# Altium PCB CameraControler0.2.PcbDoc (part 1 of 2)
Units mil, origin at the board's own origin, x right, y up, seen from the top; angles counter-clockwise.
Board outline 5511.81 x 4409.45 mil, 2 copper layers (Top Layer, Bottom Layer); 290 components, 222 nets, 911 pads, 70 vias.
Unrouted connection lines stored in the file: 553.
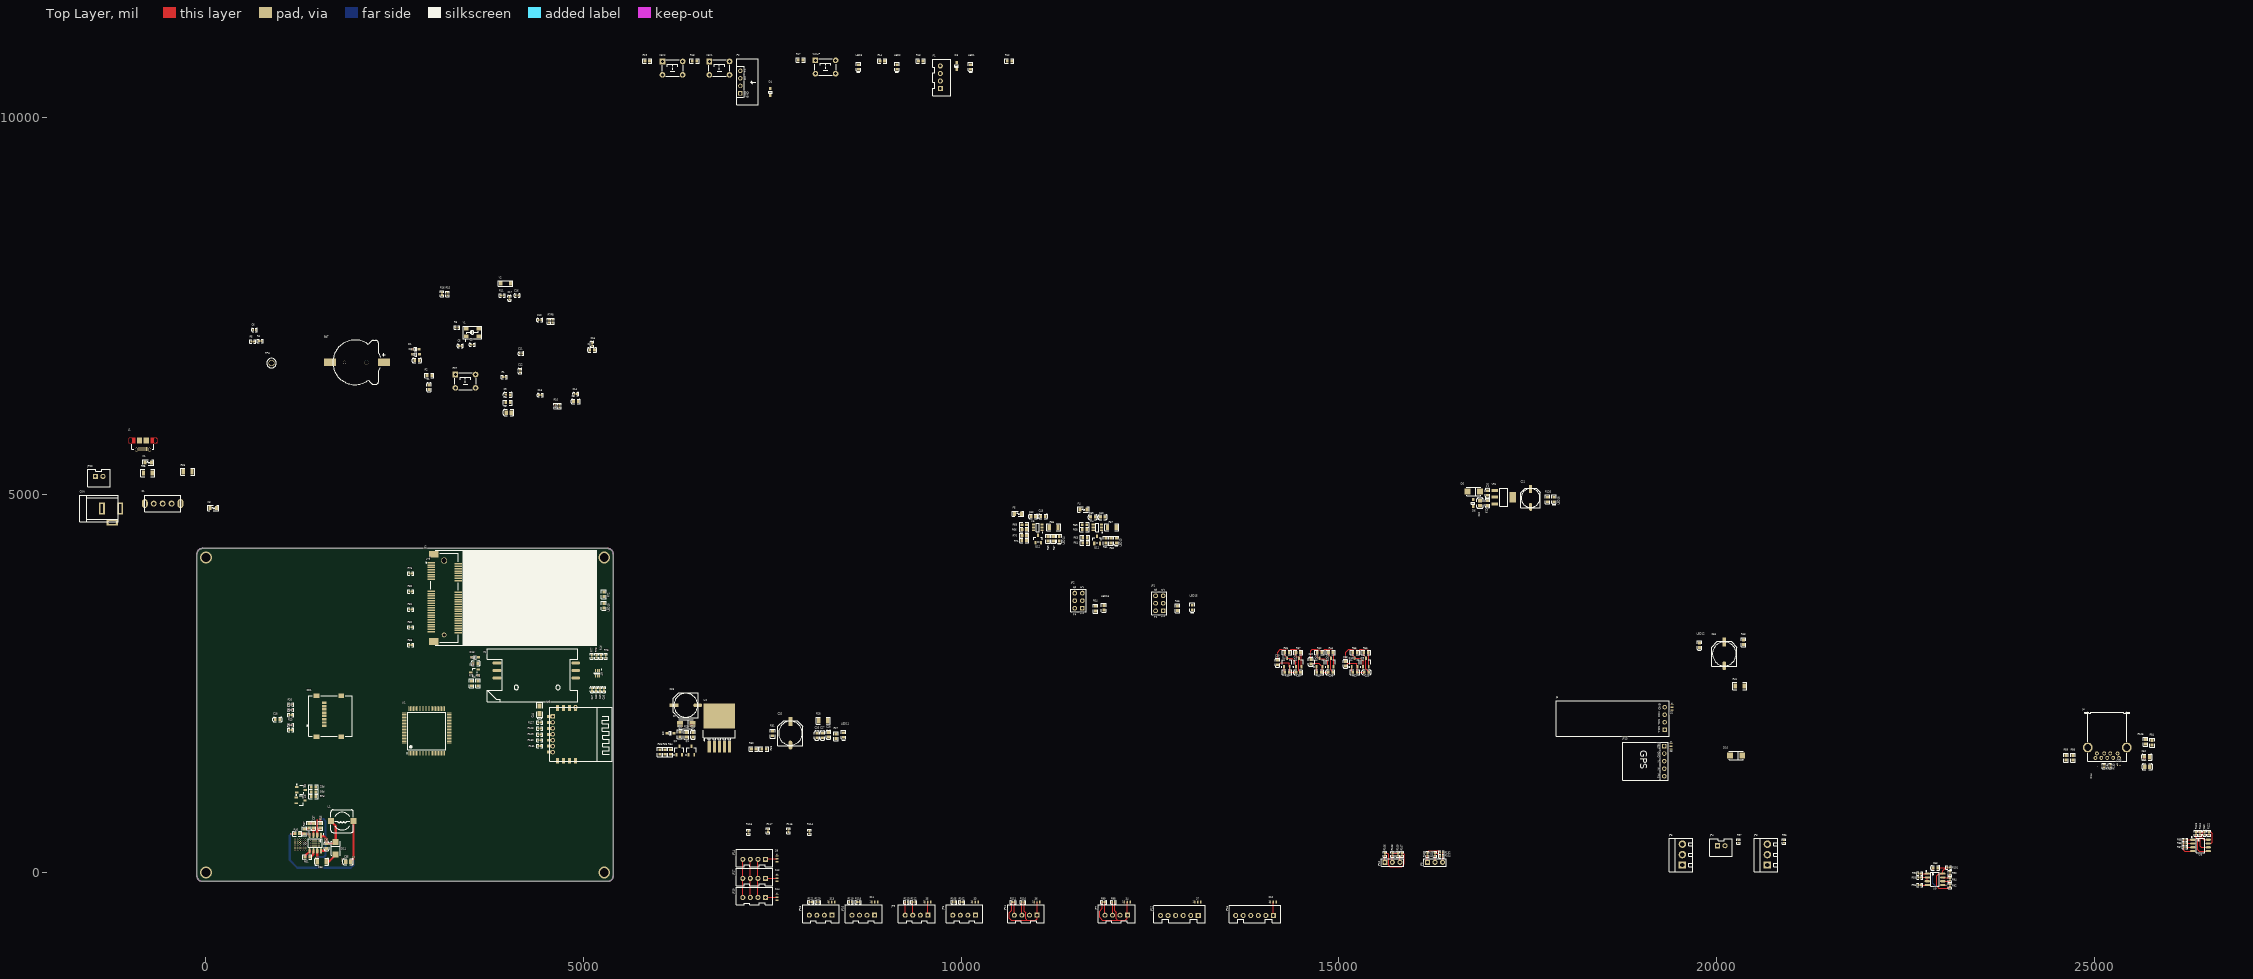
[diagram p0: Top Layer view]
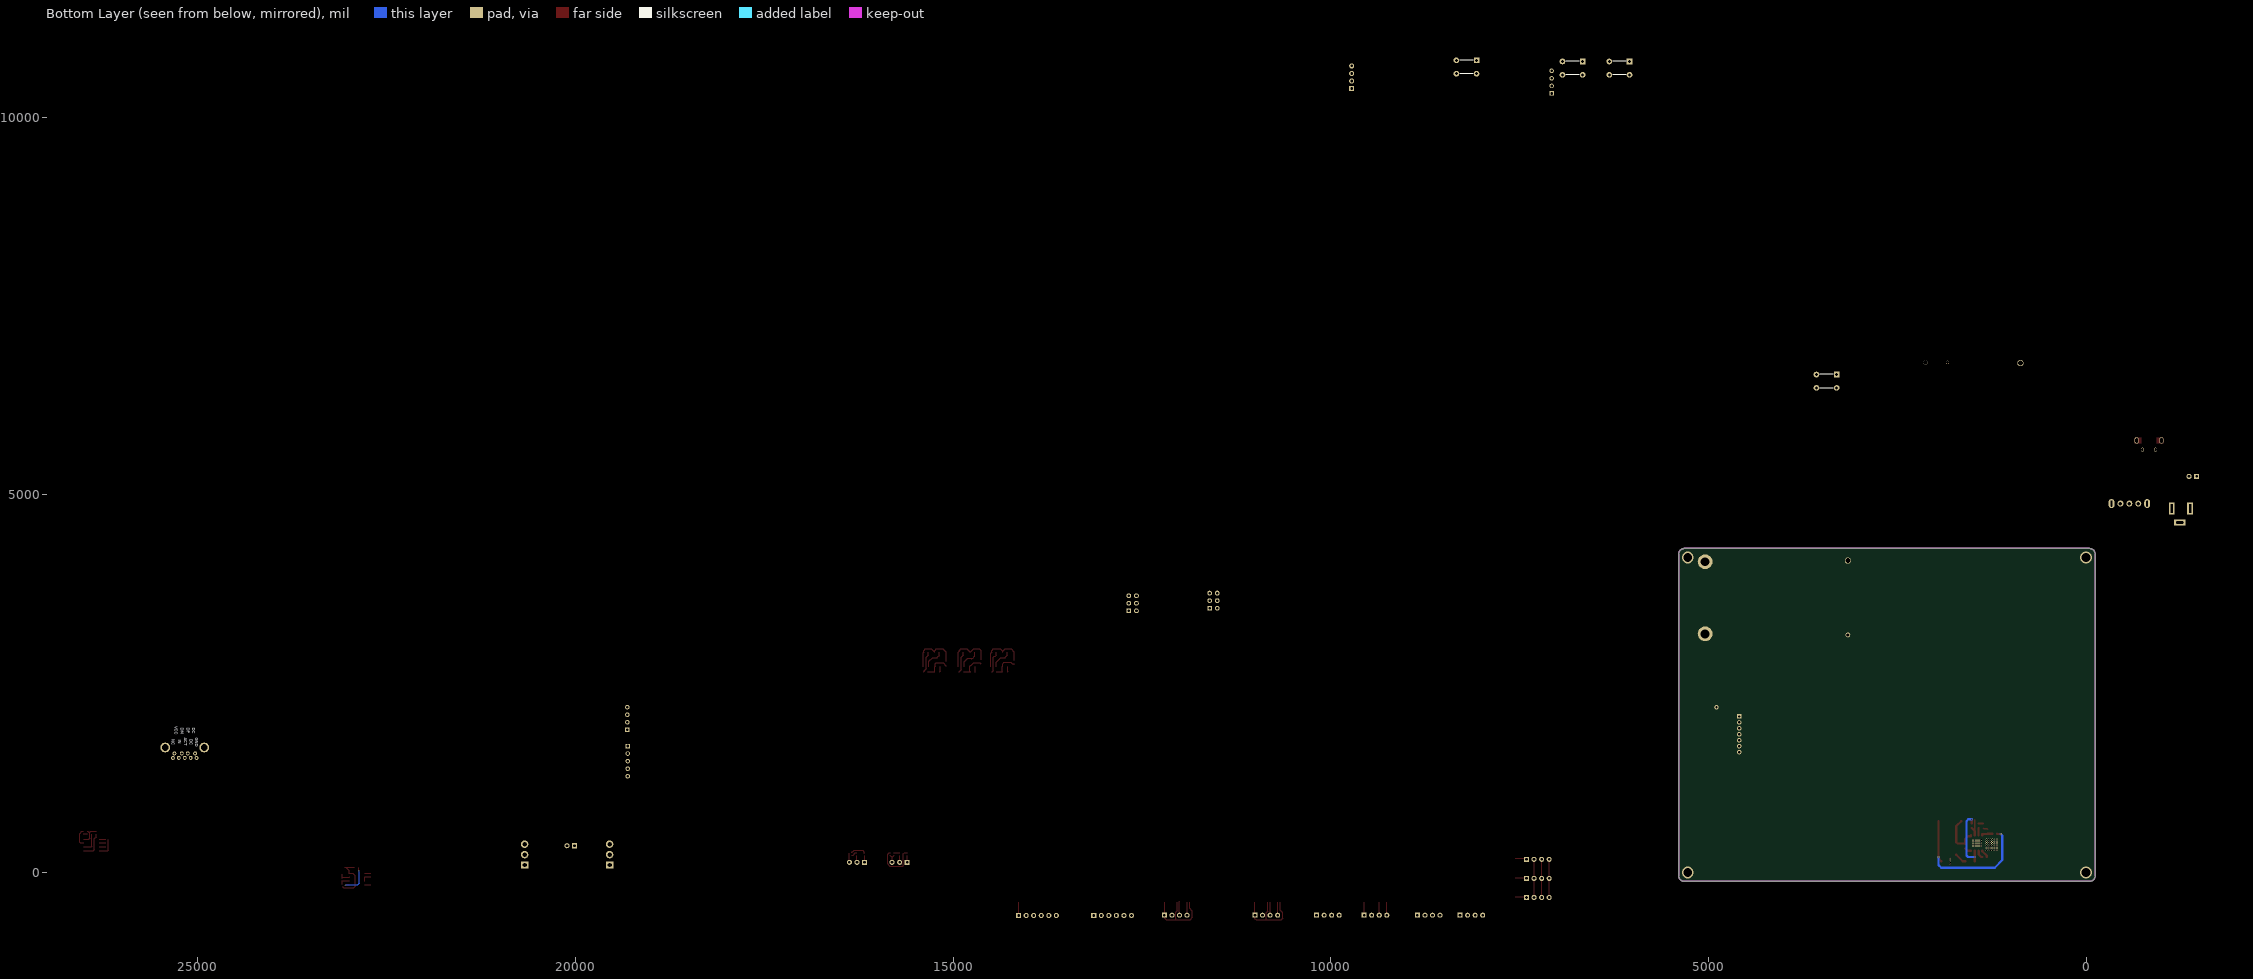
[diagram p1: Bottom Layer view, seen from below]

## Layer stack, top to bottom
Top Solder: solder mask 0.4, Solder Resist, Dk 3.5
Top Layer: signal copper 1.4
Dielectric 1: dielectric 12.6, FR-4, Dk 4.8
Bottom Layer: signal copper 1.4
Bottom Solder: solder mask 0.4, Solder Resist, Dk 3.5

## Board outline
-117.91,-43.11 ccw(c-43.11,-43.11) -43.11,-117.91 -43.31,-118.11 5318.9,-118.11 ccw(c5318.9,-43.31) 5393.7,-43.31 5393.7,4216.54 ccw(c5318.9,4216.54) 5318.9,4291.34 -43.31,4291.33 -43.31,4291.34 ccw(c-43.31,4216.54) -118.11,4216.54

## Design rules (kind name [scope] priority, off if disabled: settings)
Clearance [All] p1: gap=6 ignorepadtopadclearanceinfootprint=FALSE except(0: Arc-Hole Track-Hole SMDPad-Hole THPad-Hole Via-Hole Fill-Hole Poly-Hole Region-Hole Text-Hole; 1: THPad-Fill THPad-Poly THPad-Region Via-Fill Via-Poly Via-Region)
HoleSize [All] p1: absolutevalues=TRUE maxlimit=120 minlimit=1 maxpercent=80.000 minpercent=20.000
MinimumSolderMaskSliver [All] p1: minsoldermaskwidth=1
PolygonConnect [All] p1: connectstyle=Relief reliefconductorwidth=10 reliefentries=4 polygonreliefangle="90 Angle" airgapwidth=10
RoutingVias [All] p1: holewidth=10 width=20 viastyle="Through Hole" minholewidth=6 minwidth=10 maxholewidth=30 maxwidth=50
SolderMaskExpansion [All] p1: expansion=4
Width [All] p1: maxlimit=50 minlimit=6 preferedwidth=10 minimp=50.000000 maximp=50.000000 favimp=50.000000
28 further rules are at their usual default settings.

## Classes and differential pairs
component class WiFi&4G_F: C44 C45 C46 C47 C48 C49 D13 J2 J3 LED10 Q13 R72 R73 R74 R75 R76 R77 R78 R79 R80 R81 R82 R83 R127 R128 R129 R130 R131 U6 U7
component class PWR_F: C19 C20 C21 C22 C23 C24 C25 C26 C27 C28 C29 C30 C31 C32 C33 C34 C35 C36 C37 C38 C39 C40 C41 C42 C43 CON D5 D6 D7 D9 D10 D11 F1 F3 F4 F5 J1 JP1 JP2 JP20 L1 LED11 LED12 LED13 LED14 LED15 LED16 LED18 Q1 Q2 Q3 Q4 Q5 Q6 Q7 Q8 Q9 Q10 Q11 Q12 R25 R26 R27 R28 R29 R30 R31 R32 R33 R34 R35 R36 R37 R38 R39 R40 R41 R42 R43 R44 R45 R46 R47 R48 R49 R50 R51 R52 R53 R54 R55 R56 R57 R58 R59 R60 R61 R62 R63 R64 R65 R66 R67 R68 R69 R70 R71 R126 S1 U2 U3 U4 U5 VR1
component class MCU_F: BAT C1 C2 C3 C4 C5 C6 C7 C8 C9 C10 C11 C12 C13 C14 C15 C16 C17 C18 D1 D2 D3 D4 KEY1 KEY2 LED1 LED2 LED3 P1 P2 R1 R2 R3 R4 R5 R6 R7 R8 R9 R10 R11 R12 R13 R14 R15 R16 R17 R18 R19 R20 R21 R22 R23 R24 RST SD1 TPH U1 WKUP Y1 Y2
component class Device_F: C50 C51 C52 C53 D14 D15 J4 J5 JP3 JP4 JP5 JP6 JP7 JP8 JP9 JP10 JP11 JP12 JP13 JP14 JP15 JP16 JP17 JP18 JP19 R84 R85 R86 R87 R88 R89 R90 R91 R92 R93 R94 R95 R96 R97 R98 R99 R100 R101 R102 R103 R104 R105 R106 R107 R108 R109 R110 R111 R112 R113 R114 R115 R116 R117 R118 R119 R120 R121 R122 R123 R124 R125 R132 R133 R134 S2 S3 S4 S5 S6 S7 S8 S9 S10 S11 S12 S13 S14 U8 U9

## Components (designator, comment, footprint, x,y, rotation, side; value= is the part's Value field where it differs from the comment)
BAT "BAT CR1220" CR1220_B 1976.73,6755 r0 top
C1 "100nF" 0603_C 2955,6425 r270 top
C2 "22pF" 0402_C 3527.8,6987.69 r0 top
C3 "2.2uF" 0603_C 4900,6235 r180 top
C4 "2.2uF" 0603_C 5114.69,6920 r180 top
C5 "22pF" 0402_C 3369.53,6973.71 r0 top
C6 "100nF" 0402_C 645.31,7185 r0 top
C7 "100nF" 0603_C 2795.75,6780 r180 top
C8 "10uF" 0805_C 4010.04,6090 r0 top
C9 "100nF" 0603_C 4000,6325 r0 top
C10 "100nF" 0402_C 4423.27,7315 r0 top
C11 "100nF" 0402_C 4173.98,6870 r0 top
C12 "100nF" 0402_C 4160,6641.73 r270 top
C13 "100nF" 0402_C 4429.45,6321.02 r180 top
C14 "100nF" 0402_C 4896.73,6335 r180 top
C15 "100nF" 0402_C 5115,6995 r270 top
C16 "22pF" 0402_C 4121.73,7640 r180 top
C17 "22pF" 0402_C 4020,7605 r90 top
C18 "100nF" 0603_C 949.69,2025 r0 top
C19 "100nF" 0603_C 16970,4891.61 r90 top
C20 "100nF" 0603_C 16970,5025.31 r270 top
C21 "220uF" "CT 6*6 - C" 17540,4960 r90 top
C22 "10uF" 0805_C 16870,4889.96 r90 top
C23 "470uF" "CT 8*7 - C" 6355,2215 r180 top
C24 "100nF" 0603_C 6450,1825 r270 top
C25 "470uF" "CT 8*7 - C" 7740,1845 r90 top
C26 "100nF" 0603_C 8090,1815 r90 top
C27 "10pF" 0603_C 8165,1815 r90 top
C28 "33pF" 0603_C 8245,1825 r90 top
C29 "1uF" 0603_C 14190,2780 r90 top
C30 "1uF" 0603_C 14462.76,2650.65 r0 top
C31 "100nF" 0603_C 1600,350 r90 top
C32 "1uF" 0603_C 14630,2790 r90 top
C33 "10uF" 1206_C 1534.88,145 r0 top
C34 "470uF" "CT 8*7 - C" 20105,2895.31 r90 top
C35 "22uF" 0805_C 1885,145 r0 top
C36 "1uF" 0603_C 14889.32,2650.65 r0 top
C37 "220pF" 0603_C 1425,619.37 r270 top
C38 "1uF" 0603_C 15090,2764.68 r90 top
C39 "1nF" 0603_C 11744.69,4705 r180 top
C40 "100nF" 0603_C 11875,4705 r180 top
C41 "1uF" 0603_C 15367.4,2650.65 r0 top
C42 "1nF" 0603_C 10955,4715 r180 top
C43 "100nF" 0603_C 11085,4715 r0 top
C44 "4.7uF" CASE-A_3216 4420,2153.43 r270 top
C45 "100nF" 0603_C 3572.27,2770 r180 top
C46 "33pF" 0402_C 5270,2421.73 r90 top
C47 "33pF" 0402_C 5111.73,2421.73 r90 top
C48 "33pF" 0402_C 5164.49,2421.73 r90 top
C49 "33pF" 0402_C 5217.24,2421.73 r90 top
C50 "100nF" 0402_C 26465,521.73 r270 top
C51 "10uF" 0805_C 25705,1400 r0 top
C52 "100nF" 0805_C 25700,1525 r0 top
C53 "100nF" 0603_C 22899.68,61.54 r180 top
CON "DC" DC-005 -1376.95,4820 r180 top
D1 "1N4148" SOD-323 2775,6930 r180 top
D2 "1N4148" SOD-323 2780,6860 r180 top
D3 "1N4148" SOD-323 9940,10680 r90 top
D4 "1N4148" SOD-323 7475,10331.46 r90 top
D5 "B350A" SMA(DO-214AC)_S1 16787.32,5045 r180 top
D6 "SD24C" SOD-323 16780,4890 r270 top
D7 "B350A" SMA(DO-214AC)_S1 6360,1965 r180 top
D9 "SD24C" SOD-323 6150,1845 r180 top
D10 "B350A" SMA(DO-214AC)_S1 20260,1550 r180 top
D11 "SS34" SMA(DO-214AC)_S1 1720,319.69 r270 top
D13 "LESD3Z5.0T1G" SOD-323 3566.5,2850 r0 top
D14 "ESD9L5.0ST5G" ONSC-SOD-923-2-514AB-01_V 25025,1426.73 r180 top
D15 "ESD9L5.0ST5G" ONSC-SOD-923-2-514AB-01_V 25325,1415 r0 top
F1 "5V 2A" "FU 0805" -761.36,5430 r180 top
F3 "5V 3A" "FU 0805" 98.05,4825 r0 top
F4 "5V 2A" "FU 0805" 11620,4805 r0 top
F5 "5V 2A" "FU 0805" 10755,4750 r0 top
J1 "MicroUSB" MOLX-47589-0001 -831.95,5720.43 r180 top
J2 "EC25-AU" PCIEmin-i 3155.24,3145.87 r90 top locked
J3 "SIM Card" "SIM Card" 3855,2575 r180 top
J4 "USB 3.0" USB3.0-i 25175,1795 r180 top
J5 "OLED" "HDR-4P OLED" 19315,1890 r180 top
JP1 "HDR-2X3" HDR-3X2 12675,3465 r90 top
JP2 "HDR-2X3" HDR-3X2 11605,3500 r90 top
JP3 "HDR-1X3" KF350-3P 20675,100 r90 top
JP4 "XH-2.56-2P" XH2.54-2P 20015,355 r0 top
JP5 "HDR-1X3" KF350-3P 19550,100 r90 top
JP6 "I/O" XH2.54-4P 10190,-565 r180 top
JP7 "IIC" XH2.54-4P 12205,-565 r180 top
JP8 "HDR-1X3" HDR-1X3 16175,135 r0 top
JP9 "I/O" XH2.54-4P 9560,-565 r180 top
JP10 "HDR-1X3" HDR-1X3 15610,135 r0 top
JP11 "IIC" XH2.54-4P 11005,-565 r180 top
JP12 "SPI2" XH2.54-6P 13140,-569 r180 top
JP13 "HDR-5P GPS" "HDR-5P GPS" 19310,1675 r270 top
JP14 "IIC" XH2.54-4P 7410,175 r180 top
JP15 "SPI3" XH2.54-6P 14135,-569 r180 top
JP16 "UART2_1" XH2.54-4P 8855,-565 r180 top
JP17 "IIC" XH2.54-4P 7410,-77.5 r180 top
JP18 "UART2_2" XH2.54-4P 8290,-565 r180 top
JP19 "IIC" XH2.54-4P 7410,-330 r180 top
JP20 "DC" XH2.54-2P -1461.95,5245 r0 top
KEY1 "KEY" "TSW DIP-6*6*8" 6800,10650 r0 top
KEY2 "KEY" "TSW DIP-6*6*8" 6180,10650 r0 top
L1 "10uH" CDRH74 1805,680 r180 top
LED1 "绿灯 0603" 0603_LED_S1 10125,10665 r90 top
LED2 "黄灯 0603" 0603_LED_S1 9150,10665 r90 top
LED3 "蓝灯 0603" 0603_LED_S1 8640,10665 r90 top
LED10 "蓝灯 0603" 0603_LED_S1 5270,3531.42 r90 top
LED11 "黄灯 0603" 0603_LED_S1 8445,1820.31 r90 top
LED12 "黄灯 0603" 0603_LED_S1 19775,3010.31 r90 top
LED13 "黄灯 0603" 0603_LED_S1 12055,4395 r90 top
LED14 "黄灯 0603" 0603_LED_S1 11300,4420 r90 top
LED15 "黄灯 0603" 0603_LED_S1 13060,3510 r90 top
LED16 "黄灯 0603" 0603_LED_S1 11890,3504.68 r90 top
LED18 "红灯 0603" 0603_LED_S1 17850,4940 r90 top
P1 "JLINK" XH2.54-4P 9725,10380 r90 top
P2 "LOG" "HDR-4P Bluetooth-v" 7550,11720 r0 top
Q1 "AO3400A" SOT-23-3L 6430,1615 r270 top
Q2 "AO3400A" SOT-23-3L 6270,1615 r270 top
Q3 "AO3401A" SOT-23-3L 14471.12,2780.33 r270 top
Q4 "AO3400A" SOT-23-3L 14313.72,2780.33 r270 top
Q5 "AO3401A" SOT-23-3L 14895,2780.33 r270 top
Q6 "AO3400A" SOT-23-3L 14745,2780.33 r270 top
Q7 "AO3400A" SOT-23-3L 1255.63,954.69 r180 top
Q8 "AO3400A" SOT-23-3L 1260.63,1094.69 r180 top
Q9 "AO3401A" SOT-23-3L 15360.31,2780.33 r270 top
Q10 "AO3400A" SOT-23-3L 15210,2780.33 r270 top
Q11 "SS8050" SOT-23(SOT-23-3) 11800,4405 r270 top
Q12 "SS8050" SOT-23(SOT-23-3) 11020,4415 r270 top
Q13 "SS8050 Y1" SOT-23(SOT-23-3) 3558.82,2650 r0 top
R1 "0Ω" 0402_R 3951.73,6560 r0 top
R2 "10KΩ" 0603_R 2960,6580 r0 top
R3 "NC" 0402_R 3324.53,7217.69 r0 top value=1MΩ
R4 "0Ω" 0402_R 720,7035 r0 top
R5 "NC" 0402_R 620,7030 r0 top value=0Ω
R6 "10Ω" 0603_R 4000,6221 r0 top
R7 "NC" 0402_R 4545,7301.02 r270 top value=10KΩ
R8 "10KΩ" 0402_R 4590,7301.02 r90 top
R9 "NC" 0402_R 4685,6176.73 r90 top value=10KΩ
R10 "10KΩ" 0402_R 4630,6176.73 r270 top
R11 "NC" 0402_R 3923.27,7640 r0 top value=1MΩ
R12 "4.7KΩ" 0603_R 10640,10745 r0 top
R13 "4.7KΩ" 0603_R 9465,10745 r0 top
R14 "4.7KΩ" 0603_R 8955,10745 r0 top
R15 "0Ω" 0402_R 3200,7660 r90 top
R16 "0Ω" 0402_R 3125,7663.58 r90 top
R17 "4.7KΩ" 0603_R 7875,10760 r0 top
R18 "4.7KΩ" 0603_R 6470,10745 r0 top
R19 "4.7KΩ" 0603_R 5845,10745 r0 top
R20 "47KΩ" 0402_R 1124.69,2225 r180 top
R21 "47KΩ" 0402_R 1124.69,2155 r180 top
R22 "47KΩ" 0402_R 1124.69,2085 r180 top
R23 "47KΩ" 0402_R 1125,1955 r180 top
R24 "47KΩ" 0402_R 1124.69,1885 r180 top
R25 "0Ω" 1206_R -766.95,5290 r180 top
R26 "0Ω" 1206_R -241.95,5305 r0 top
R27 "4.7KΩ" 0603_R 8345,1805 r90 top
R28 "0Ω" 1206_R 8173.66,2010 r0 top
R29 "51KΩ" 0603_R 6365,1825 r90 top
R30 "82KΩ" 0603_R 7255,1635 r180 top
R31 "470Ω" 0603_R 7505,1840 r90 top
R32 "100KΩ" 0603_R 6275,1829.69 r90 top
R33 "47KΩ" 0603_R 7390.31,1635 r180 top
R34 "NC" 0603_R 6150,1595.32 r90 top
R35 "100KΩ" 0603_R 14314.31,2915 r0 top
R36 "10KΩ" 0603_R 6010,1595.31 r90 top
R37 "NC" 0603_R 14462.76,2915 r0 top
R38 "100KΩ" 0603_R 6080,1595.32 r90 top
R39 "100KΩ" 0603_R 14314.31,2650.65 r180 top
R40 "124KΩ" 0603_R 1210,514.37 r180 top
R41 "0Ω" 1206_R 20308.66,2470 r0 top
R42 "100KΩ" 0603_R 14745,2915 r0 top
R43 "4.7KΩ" 0603_R 20360,3050.31 r90 top
R44 "NC" 0603_R 14895,2915 r0 top
R45 "100KΩ" 0603_R 1517.6,619.37 r270 top
R46 "10KΩ" 0603_R 12865,3499.69 r270 top
R47 "40.2KΩ" 0603_R 1305,544.69 r270 top
R48 "NC" 0603_R 1425,1009.06 r0 top
R49 "100KΩ" 0603_R 14740,2650.65 r180 top
R50 "10KΩ" 0603_R 1425,1069.06 r180 top
R51 "200KΩ" 0603_R 1345,205 r180 top
R52 "100KΩ" 0603_R 1425,1134.06 r180 top
R53 "68.1KΩ" 0603_R 1365,619.37 r90 top
R54 "4.7KΩ" 0603_R 11780,3494.69 r270 top
R55 "100KΩ" 0603_R 15215,2915 r0 top
R56 "NC" 0603_R 15360.31,2915 r0 top
R57 "0Ω" 1206_R 11996.34,4570 r0 top
R58 "51KΩ" 0603_R 11634.69,4540 r180 top
R59 "100KΩ" 0603_R 11634.68,4605 r0 top
R60 "10KΩ" 0603_R 11985,4395 r90 top
R61 "4.7KΩ" 0603_R 11915,4395 r270 top
R62 "100KΩ" 0603_R 15215,2650.65 r180 top
R63 "4.7KΩ" 0603_R 11640,4435 r0 top
R64 "47KΩ" 0603_R 11640,4365 r180 top
R65 "0Ω" 1206_R 11223.66,4570 r0 top
R66 "51KΩ" 0603_R 10835,4540 r180 top
R67 "4.7KΩ" 0603_R 11225,4420 r90 top
R68 "100KΩ" 0603_R 10835,4605 r0 top
R69 "4.7KΩ" 0603_R 11150,4420 r270 top
R70 "4.7KΩ" 0603_R 10835,4464.21 r0 top
R71 "47KΩ" 0603_R 10834.69,4395 r180 top
R72 "4.7KΩ" 0603_R 5270,3684.68 r90 top
R73 "4.7KΩ" 0603_R 3519.65,2504.25 r90 top
R74 "4.7KΩ" 0603_R 3601.83,2504.25 r270 top
R75 "10KΩ" 0402_R 2713.39,3960.83 r180 top
R76 "15KΩ" 0402_R 5295,2865 r90 top
R77 "22Ω" 0402_R 5110,2865 r270 top
R78 "22Ω" 0402_R 5171.73,2865 r270 top
R79 "22Ω" 0402_R 5233.46,2865 r270 top
R80 "22Ω" 0402_R 2713.39,3723.12 r180 top
R81 "NC" 0402_R 2713.39,3485.41 r180 top value=22Ω
R82 "22Ω" 0402_R 2713.39,3247.71 r180 top
R83 "22Ω" 0402_R 2713.39,3010 r180 top
R84 "10KΩ" 0603_R 25769.96,1719.69 r90 top
R85 "10KΩ" 0402_R 26205,434.61 r180 top
R86 "10KΩ" 0402_R 26205,384.61 r180 top
R87 "10KΩ" 0402_R 26205,334.61 r180 top
R88 "NC" 0603_R 24720,1520 r90 top
R89 "0Ω" 0603_R 24630,1520 r90 top
R90 "360Ω" 0402_R 23091.54,-5 r90 top
R91 "22Ω" 0402_R 22693.27,-15 r0 top
R92 "360Ω" 0402_R 23091.54,-175 r270 top
R93 "22Ω" 0402_R 22693.27,-65 r0 top
R94 "120Ω" 0402_R 23091.54,-90 r270 top
R95 "22Ω" 0402_R 22693.27,-165 r0 top
R96 "22Ω" 0402_R 20895,410 r90 top
R97 "22Ω" 0402_R 20295,410 r90 top
R98 "4.7KΩ" 0402_R 12018.27,-390 r180 top
R99 "4.7KΩ" 0402_R 11888.27,-390 r0 top
R100 "0Ω" 0402_R 16175,241.73 r90 top
R101 "0Ω" 0402_R 23075,65 r180 top
R102 "22Ω" 0402_R 10008.27,-390 r0 top
R103 "0Ω" 0402_R 16275,241.73 r90 top
R104 "NC" 0402_R 16360,220 r0 top value=0Ω
R105 "22Ω" 0402_R 9906.73,-390 r0 top
R106 "0Ω" 0402_R 15610,241.73 r90 top
R107 "NC" 0402_R 15835,241.73 r270 top value=0Ω
R108 "0Ω" 0402_R 15710,241.73 r90 top
R109 "NC" 0402_R 15785,241.73 r270 top value=0Ω
R110 "4.7KΩ" 0402_R 10820,-390 r180 top
R111 "4.7KΩ" 0402_R 10690,-390 r0 top
R112 "22Ω" 0402_R 9375,-390 r0 top
R113 "22Ω" 0402_R 9278.27,-390 r0 top
R114 "4.7KΩ" 0402_R 7995,535 r90 top
R115 "22Ω" 0402_R 7715,555 r90 top
R116 "4.7KΩ" 0402_R 7185,535 r90 top
R117 "22Ω" 0402_R 7445,555 r90 top
R118 "22Ω" 0402_R 8638.27,-390 r180 top
R119 "22Ω" 0402_R 8536.73,-390 r180 top
R120 "22Ω" 0402_R 8105,-390 r0 top
R121 "22Ω" 0402_R 8008.27,-390 r0 top
R122 "10KΩ" 0402_R 26520,521.73 r90 top
R123 "4.7KΩ" 0402_R 26350,521.73 r270 top
R124 "4.7KΩ" 0402_R 26405,521.73 r270 top
R125 "10KΩ" 0603_R 25680,1731.02 r90 top
R126 "4.7KΩ" 0603_R 17765,4940 r90 top
R127 "0Ω" 0402_R 4420,1987.87 r0 top
R128 "0Ω" 0402_R 4420,1909.13 r0 top
R129 "0Ω" 0402_R 4420,1830.39 r0 top
R130 "0Ω" 0402_R 4420,1751.65 r0 top
R131 "0Ω" 0402_R 4420,1672.91 r180 top
R132 "NC" 0402_R 16360,265 r0 top value=0Ω
R133 "0Ω" 0402_R 25215,1410 r90 top
R134 "0Ω" 0402_R 25130,1410 r90 top
RST "KEY" "TSW DIP-6*6*8" 3437.53,6505 r0 top
S1 "SW" "SS-12F23 (1P2T)  Straight foot" -571.52,4885 r180 top
S2 "SW" SWITCH_SPOT 19410,2225 r270 top
S3 "SW" SWITCH_SPOT 10150.63,-392.89 r0 top
S4 "SW" SWITCH_SPOT 12160.63,-392.89 r0 top
S5 "SW" SWITCH_SPOT 9520.63,-392.89 r0 top
S6 "SW" SWITCH_SPOT 10965.63,-392.89 r0 top
S7 "SW" SWITCH_SPOT 13095,-392.89 r0 top
S8 "SW" SWITCH_SPOT 19400,1714.37 r270 top
S9 "SW" SWITCH_SPOT 7560,224.37 r270 top
S10 "SW" SWITCH_SPOT 14095.63,-392.89 r0 top
S11 "SW" SWITCH_SPOT 8815.63,-390 r0 top
S12 "SW" SWITCH_SPOT 7560,-38.13 r270 top
S13 "SW" SWITCH_SPOT 8250.63,-390.77 r0 top
S14 "SW" SWITCH_SPOT 7560,-290.63 r270 top
SD1 "MicroSD Card" MOLX-47219-2001-8_V 1630,2070 r90 top
TPH "TPH" KSTN-5011_V 870,6745 r0 top
U1 "STM32F407VGT6" STM-LQFP100_L 2925,1875 r90 top
U2 "MIC29302WU" TO-263-5 6800,1664.49 r270 top
U3 "MP1584DN" SOP-8_150mil 1450,390 r180 top
U4 "FDC6330L" SOT-23-6 11805,4570 r0 top
U5 "FDC6330L" SOT-23-6 11015,4570 r0 top
U6 "WIFI" MT8266WIFI-H 4554.45,1480 r0 top
U7 "SMF05CT1G" SC-70-6(SOT-363) 5185,2640 r270 top
U8 "AT24C256" SOP-8_150mil 26410,359.61 r270 top
U9 "SP3485" SOP-8_150mil 22895,-90 r270 top
VR1 "AMS1117-3.3" SOT-223 17185.04,4970 r180 top
WKUP "KEY" "TSW DIP-6*6*8" 8205,10665 r0 top
Y1 "8MHz" XTAL-5032-4P 3529.53,7152.69 r0 top
Y2 "32.768KHz" XTAL-3215/F135 3970,7800 r180 top

## Footprints (in the part's own frame and the unit in brackets; to place one, negate y for a bottom-side part, rotate by r counter-clockwise, add the part's x,y. Pads: shape width x height; smd on the part's side, far side on the other; paste and mask are expansions set on the pad)
0402_C [mm]
  rect 0.6x0.65 smd mask+0.051: 1(-0.425,0) 2(0.425,0)
  silkscreen extent -0.97,-0.58 0.98,0.58, body extent -0.48,-0.3 0.52,0.3, height 0.2
0402_R [mm]
  rect 0.6x0.65 smd mask+0.051: 1(-0.425,0) 2(0.425,0)
  silkscreen extent -0.98,-0.57 0.97,0.58, body extent -0.57,-0.27 0.58,0.28, height 0.41
0603_C [mm]
  rect 0.93x0.98 smd: 1(-0.77,0) 2(0.77,0)
  silkscreen extent -1.53,-0.79 1.54,0.79, body extent -0.8,-0.4 0.8,0.4, height 0.3
0603_LED_S1 [mm]
  rect 0.93x0.98 smd: A(0.77,0) K(-0.77,0)
  silkscreen extent -1.97,-0.79 1.53,0.79, body extent -0.8,-0.4 0.8,0.4, height 0.6
0603_R [mm]
  rect 0.93x0.98 smd: 1(-0.77,0) 2(0.77,0)
  silkscreen extent -1.53,-0.79 1.54,0.79, body extent -0.85,-0.4 0.85,0.4, height 0.56
0805_C [mm]
  rect 1.16x1.47 smd: 1(-0.89,0) 2(0.89,0)
  silkscreen extent -1.77,-1.04 1.77,1.04, body extent -1,-0.62 1,0.63, height 0.77
1206_C [mm]
  rect 1.13x1.8 smd: 1(-1.49,0) 2(1.49,0)
  silkscreen extent -2.36,-1.2 2.35,1.2, body extent -1.6,-0.81 1.6,0.79, height 1
1206_R [mm]
  rect 1.13x1.8 smd: 1(-1.49,0) 2(1.49,0)
  silkscreen extent -2.35,-1.2 2.35,1.2, body extent -1.7,-0.86 1.65,0.87, height 0.85
CASE-A_3216 [mm]
  rect 1.8x1.35 smd: 1(1.31,0) 2(-1.31,0)
  silkscreen extent -2.54,-1 2.97,1, body extent -1.7,-0.84 1.7,0.84, height 1.71
CDRH74 [mm] "7.3*7.3*4.5mm（长宽高）"
  rect 2x2 smd: 1(-3.81,0) 2(3.81,0)
  silkscreen extent -3.81,-3.81 3.81,3.81, body extent -3.65,-3.65 3.65,3.65, height 4.5
CR1220_B [mm] "纽扣电池座"
  round 1.1 hole 1.1: 0(-3.6,0)
  round 1.45 hole 1.45: 0(3.9,0)
  rect 4x2.5 smd: 1(9.652,0) 2(-8.458,0)
  silkscreen extent -7.5,-7.5 10.16,7.5, body extent -9.42,-7.45 10.34,7.45, height 4.05
"CT 6*6 - C" [mm] "直径6mm，高6mm"
  rect 2.7x1 smd: 1(3,0)
  oval 2.7x1 smd: 2(-3,0)
  silkscreen extent -3.3,-3.3 3.3,3.3, body extent -3.5,-3.15 3.5,3.15, height 6
"CT 8*7 - C" [mm] "直径8mm，高7mm"
  rect 3x1.3 smd: 1(4,0)
  oval 3x1.3 smd: 2(-4,0)
  silkscreen extent -4.2,-4.2 4.2,4.2, body extent -4.5,-4.15 4.5,4.15, height 7
DC-005 [mm] "5.5*2.1mm，DC30V,2.5A"
  rect 2x4 hole 0.8 slot 3 at 90 deg: 1(-6.2,0) 2(0,0)
  rect 4x2 hole 0.8 slot 2.5 at 0 deg: 3(-3.5,4.7)
  silkscreen extent -5.48,-4.5 7.5,4.5, body extent -6.55,-4.5 7.5,4.8, height 11.2
"FU 0805" [mil] "贴片保险丝"
  rect 40x55 smd: 1(-45,0) 2(45,0)
  silkscreen extent -75,-35 75,35, body extent -39,-24 39,24, height 20
HDR-1X3 [mm] "排针，3脚"
  rect 1.7x1.7 hole 0.9: 1(0,0)
  round 1.7 hole 0.9: 2(2.54,0) 3(5.08,0)
  silkscreen extent -1.27,-1.27 6.35,1.27, body extent -1.27,-1.27 6.35,1.27, height 8.5
HDR-3X2 [mm] "双排排针，3x2脚"
  rect 1.6x1.6 hole 0.9: 1(0,0)
  round 1.6 hole 0.9: 2(0,2.54) 3(2.54,0) 4(2.54,2.54) 5(5.08,0) 6(5.08,2.54)
  silkscreen extent -1.27,-1.27 6.35,3.81, body extent -1.27,-1.27 6.35,3.81, height 8.5
"HDR-4P Bluetooth-v" [mm] "Connector; Header; 4 Position"
  rect 1.5x1.5 hole 0.9: 1(-11.989,-35.687)
  round 1.5 hole 0.9: 2(-11.989,-33.147) 3(-11.989,-30.607) 4(-11.989,-28.067)
  silkscreen extent -13.26,-39.5 -5.97,-23.98, body extent -13.26,-36.96 -10.72,-26.8, height 8.5
"HDR-4P OLED" [mm] "Connector; Header; 4Position"
  rect 1.5x1.5 hole 0.9: 1(0,0)
  round 1.5 hole 0.9: 2(0,-2.54) 3(0,-5.08) 4(0,-7.62)
  silkscreen extent -1.5,-9.81 36.5,2.19, body extent -1.27,-8.89 1.27,1.27, height 8.5
"HDR-5P GPS" [mm] "Connector; Header; 5 Position"
  rect 1.5x1.5 hole 0.9: 1(0,0)
  round 1.5 hole 0.9: 2(2.54,0) 3(5.08,0) 4(7.62,0) 5(10.16,0)
  silkscreen extent -1.27,-14.05 11.46,1.27, body extent -1.27,-1.27 11.43,1.27, height 8.5
KF350-3P [mm] "可拼接端子/10A"
  rect 2.5x2.5 hole 1.5: 1(0,0)
  round 2.5 hole 1.5: 2(3.5,0) 3(7,0)
  silkscreen extent -2.34,-3.48 8.94,4.37, body extent -2.15,-3.3 8.75,4.2, height 10
KSTN-5011_V [mm] "Test Point, Dia 3.17mm"
  round 2.1 hole 1.6: 1(0,0)
  silkscreen extent -1.59,-1.58 1.59,1.58, body extent -1.59,-1.59 1.59,1.59, height 8.13
MOLX-47219-2001-8_V [mm] "CONN, 8-Leads, Body 14.5x13.6mm, Pitch 1.1mm"
  rect 0.8x1.5 smd: 1(-3.205,1.55) 2(-2.105,1.55) 3(-1.005,1.55) 4(0.095,1.55) 5(1.195,1.55) 6(2.295,1.55) 7(3.395,1.55) 8(4.495,1.55)
  rect 1.45x2 smd: 9(6.875,4.15) 10(6.875,-4.15) 11(-6.875,-4.15) 12(-6.875,4.15)
  silkscreen extent -6.8,-7.8 6.8,7.42, body extent -7.3,-7.79 7.3,6.71, height 1.91
MOLX-47589-0001 [mm] "Micro USB 2.0 Type AB ，USB SMD, 5-Leads, Body 7.5x5.6mm, Pitch 0.65mm"
  rect 0.4x1.35 smd: 1(-1.3,2.805) 2(-0.65,2.805) 3(0,2.805) 4(0.65,2.805) 5(1.3,2.805)
  round 0 / inner oval 1.4x2.1 / far side oval 1.4x2.1 hole 0.825 slot 1.5 at 90 deg: Shell(-4.175,0)
  oval 1.05x1.25 hole 0.65 slot 0.85 at 90 deg: Shell(-2.225,3.055) Shell(2.225,3.055)
  rect 1.8x1.9 smd: Shell(-1.15,0) Shell(1.15,0)
  round 0 / inner round 0 / far side oval 1.4x2.1 hole 0.825 slot 1.5 at 90 deg: Shell(4.175,0)
  Top Layer region: -4.353,-0.95 -4.544,-0.912 -4.706,-0.804 -4.814,-0.641 -4.852,-0.45 -4.852,-0.45 -4.852,0.65 -4.83,0.765 -4.765,0.862 -4.667,0.927 -4.553,0.95 -4.553,0.95 -2.668,0.95 -2.668,-0.95
  Top Layer region: 4.353,-0.95 4.544,-0.912 4.706,-0.804 4.814,-0.641 4.852,-0.45 4.852,-0.45 4.852,0.65 4.83,0.765 4.765,0.862 4.667,0.927 4.553,0.95 4.553,0.95 2.668,0.95 2.668,-0.95
  silkscreen extent -3.7,1.25 3.7,2.97, body extent -4.3,-2.64 4.3,3.23, height 2.76
MT8266WIFI-H [mm] "Anylink-ESP8266"
  rect 2x1 smd: 1(0,14.9) 2(0,12.9) 3(0,10.9) 4(0,8.9) 5(0,6.9) 6(0,4.9) 7(0,2.9)
  rect 1.5x1.5 hole 0.8: 1(1,14.896)
  round 1.5 hole 0.8: 2(1,12.896) 3(1,10.896) 4(1,8.896) 5(1,6.896) 6(1,4.896) 7(1,2.896) 12(8.65,18)
  rect 1x2 smd: 8(2.65,0) 9(4.65,0) 10(6.65,0) 11(8.65,0) 12(8.65,17.8) 13(6.65,17.8) 14(4.65,17.8) 15(2.65,17.8)
  silkscreen extent 0,-0.2 21,18
ONSC-SOD-923-2-514AB-01_V [mm] "SOD, 2-Leads, Body 0.8x0.6mm"
  rect 0.36x0.25 smd: 1(-0.42,0) 2(0.42,0)
  silkscreen extent -0.47,0.48 -0.37,0.57, body extent -0.4,-0.3 0.4,0.3, height 0.4
PCIEmin-i [mm]
  rect 0.5x2.5 smd: 1(24.3,4.35) 2(23.9,-4.75) 3(23.5,4.35) 4(23.1,-4.75) 5(22.7,4.35) 6(22.3,-4.75) 7(21.9,4.35) 8(21.5,-4.75) 9(21.1,4.35) 10(20.7,-4.75) 11(20.3,4.35) 12(19.9,-4.75) 13(19.5,4.35) 14(19.1,-4.75) 15(18.7,4.35) 16(18.3,-4.75) 17(14.7,4.35) 18(14.3,-4.75) 19(13.9,4.35) 20(13.5,-4.75) 21(13.1,4.35) 22(12.7,-4.75) 23(12.3,4.35) 24(11.9,-4.75) 25(11.5,4.35) 26(11.1,-4.75) 27(10.7,4.35) 28(10.3,-4.75) 29(9.9,4.35) 30(9.5,-4.75) 31(9.1,4.35) 32(8.7,-4.75) 33(8.3,4.35) 34(7.9,-4.75) 35(7.5,4.35) 36(7.1,-4.75) 37(6.7,4.35) 38(6.3,-4.75) 39(5.9,4.35) 40(5.5,-4.75) 41(5.1,4.35) 42(4.7,-4.75) 43(4.3,4.35) 44(3.9,-4.75) 45(3.5,4.35) 46(3.1,-4.75) 47(2.7,4.35) 48(2.3,-4.75) 49(1.9,4.35) 50(1.5,-4.75) 51(1.1,4.35) 52(0.7,-4.75)
  rect 2.3x3.2 smd: 53(27.133,3.512) 54(-2.15,3.5)
  round 2.1 hole 1.6: MH1(25,0)
  round 1.6 hole 1.1: MH2(0,0)
  round 5 hole 3: MH3(24.616,-48) MH4(0.38,-48)
  silkscreen extent -3.47,-51.31 28.54,6.15, body extent -2.49,-4.8 27.51,4.5, height 9.9
SC-70-6(SOT-363) [mm]
  rect 1x0.42 smd mask+0.051: 1(-0.97,0.65) 2(-0.97,0) 3(-0.97,-0.65) 4(0.97,-0.65) 5(0.97,0) 6(0.97,0.65)
  silkscreen extent -1.32,-1 0.2,1.53, body extent -1.2,-1.1 1.2,1.1, height 1.1
"SIM Card" [mm] "MUP , 6P"
  oval 3x1 smd: 1(-26.5,-5.08) 2(-26.5,-2.54) 3(-26.5,0) 4(0,-5.08) 5(0,-2.54) 6(0,0)
  silkscreen extent -27.1,-9.89 3.3,7.96, body extent -26.48,-9.85 3.16,7.35, height 2.6
SMA(DO-214AC)_S1 [mm]
  rect 2x2 smd: 1(2.1,0) 2(-2.1,0)
  silkscreen extent -2.35,-1.5 2.35,1.5, body extent -2.52,-1.4 2.52,1.4, height 2.29
SOD-323 [mm]
  rect 1x0.83 smd: 1(1.18,0) 2(-1.18,0)
  silkscreen extent -0.4,-0.6 0.4,0.6, body extent -1.35,-0.62 1.35,0.63, height 1.1
SOP-8_150mil [mm]
  oval 0.7x1.8 smd: 1(-1.905,-2.6) 2(-0.635,-2.6) 3(0.635,-2.6) 4(1.905,-2.6) 5(1.905,2.6) 6(0.635,2.6) 7(-0.635,2.6) 8(-1.905,2.6)
  silkscreen extent -2.9,-3.07 2.4,1.4, body extent -2.5,-3.1 2.5,3.1, height 1.75
SOT-23(SOT-23-3) [mm]
  rect 1.25x0.7 smd: 1(1.25,-0.95) 2(1.25,0.95) 3(-1.25,0)
  silkscreen extent -0.65,-1.46 0.9,1.46, body extent -1.5,-1.5 1.5,1.5, height 1.3
SOT-23-3L [mm] "http://www.aosmd.com/res/packaging_information/SOT-23-3L.pdf"
  rect 1.15x0.65 smd: 1(1.475,-0.95) 2(1.475,0.95) 3(-1.475,0)
  silkscreen extent -0.9,-1.95 1.6,1.55, body extent -0.9,-1.55 0.9,1.55, height 1.25
SOT-23-6 [mm]
  rect 1.1x0.6 smd: 1(1.4,-0.95) 2(1.4,0) 3(1.4,0.95) 4(-1.4,0.95) 5(-1.4,0) 6(-1.4,-0.95)
  silkscreen extent -0.5,-1.87 1.73,1.4, body extent -1.4,-1.45 1.4,1.45, height 1.45
SOT-223 [mm]
  rect 2.2x1 smd: 1(3,-2.3) 2(3,0) 3(3,2.3)
  rect 2.2x3.5 smd: 2(-3,0)
  silkscreen extent -1.4,-3 1.4,3, body extent -3.49,-3.24 3.49,3.24, height 1.64
"SS-12F23 (1P2T)  Straight foot" [mm] "脚距3mm"
  oval 2x3 hole 0.5 slot 2 at 90 deg: 0(-6,0) 0(6,0)
  round 2 hole 1.2: 1(-3,0) 2(0,0) 3(3,0)
  silkscreen extent -6.1,-2.8 6.1,2.8, body extent -7,-3.1 7,3.1, height 9.65
STM-LQFP100_L [mm] "Thin QFP, 100-Leads, Body 14x14mm, Pitch 0.5mm, IPC High Density"
  oval 1.55x0.25 smd: 1(-7.525,6) 2(-7.525,5.5) 3(-7.525,5) 4(-7.525,4.5) 5(-7.525,4) 6(-7.525,3.5) 7(-7.525,3) 8(-7.525,2.5) 9(-7.525,2) 10(-7.525,1.5) 11(-7.525,1) 12(-7.525,0.5) 13(-7.525,0) 14(-7.525,-0.5) 15(-7.525,-1) 16(-7.525,-1.5) 17(-7.525,-2) 18(-7.525,-2.5) 19(-7.525,-3) 20(-7.525,-3.5) 21(-7.525,-4) 22(-7.525,-4.5) 23(-7.525,-5) 24(-7.525,-5.5) 25(-7.525,-6) 51(7.525,-6) 52(7.525,-5.5) 53(7.525,-5) 54(7.525,-4.5) 55(7.525,-4) 56(7.525,-3.5) 57(7.525,-3) 58(7.525,-2.5) 59(7.525,-2) 60(7.525,-1.5) 61(7.525,-1) 62(7.525,-0.5) 63(7.525,0) 64(7.525,0.5) 65(7.525,1) 66(7.525,1.5) 67(7.525,2) 68(7.525,2.5) 69(7.525,3) 70(7.525,3.5) 71(7.525,4) 72(7.525,4.5) 73(7.525,5) 74(7.525,5.5) 75(7.525,6)
  oval 0.25x1.55 smd: 26(-6,-7.525) 27(-5.5,-7.525) 28(-5,-7.525) 29(-4.5,-7.525) 30(-4,-7.525) 31(-3.5,-7.525) 32(-3,-7.525) 33(-2.5,-7.525) 34(-2,-7.525) 35(-1.5,-7.525) 36(-1,-7.525) 37(-0.5,-7.525) 38(0,-7.525) 39(0.5,-7.525) 40(1,-7.525) 41(1.5,-7.525) 42(2,-7.525) 43(2.5,-7.525) 44(3,-7.525) 45(3.5,-7.525) 46(4,-7.525) 47(4.5,-7.525) 48(5,-7.525) 49(5.5,-7.525) 50(6,-7.525) 76(6,7.525) 77(5.5,7.525) 78(5,7.525) 79(4.5,7.525) 80(4,7.525) 81(3.5,7.525) 82(3,7.525) 83(2.5,7.525) 84(2,7.525) 85(1.5,7.525) 86(1,7.525) 87(0.5,7.525) 88(0,7.525) 89(-0.5,7.525) 90(-1,7.525) 91(-1.5,7.525) 92(-2,7.525) 93(-2.5,7.525) 94(-3,7.525) 95(-3.5,7.525) 96(-4,7.525) 97(-4.5,7.525) 98(-5,7.525) 99(-5.5,7.525) 100(-6,7.525)
  silkscreen extent -7.65,-6.35 6.35,6.8, body extent -7,-7 7,7, height 1.6
SWITCH_SPOT [mm]
  rect 0.5x1 smd: 1(0,0) 2(1,0) 3(2,0)
TO-263-5 [mm]
  rect 8.4x10.65 smd: 0(-10.3,0)
  rect 3.8x1.05 smd: 1(0,-3.4) 2(0,-1.7) 3(0,0) 4(0,1.7) 5(0,3.4)
  silkscreen extent -5.65,-5.35 -2.1,5.35, body extent -12.78,-5.26 -3.13,5.39, height 4.83
"TSW DIP-6*6*8" [mm] "6*6*8mm"
  rect 1.9x1.9 hole 1: 1(-3.4,2.25)
  round 1.9 hole 1: 1(3.4,2.25) 2(-3.4,-2.25) 2(3.4,-2.25)
  silkscreen extent -3.56,-2.79 3.56,2.79, body extent -4.11,-3 4.11,3, height 7.95
USB3.0-i [mm] "USB 3.0 Type A Horizontal"
  round 1.3 hole 0.7: 1(-3.5,5.54) 2(-1,5.54) 3(1,5.54) 4(3.5,5.54) 5(4,7.04) 6(2,7.04) 7(0,7.04) 8(-2,7.04) 9(-4,7.04)
  round 3.3 hole 2.3: Shell(-6.57,3.54) Shell(6.57,3.54)
  silkscreen extent -7.55,-8.24 7.55,8.24, body extent -7.74,-8.24 7.74,8.31, height 8.03
XH2.54-2P [mm] "接插件，2P"
  rect 1.7x1.7 hole 0.9: 1(0,0)
  round 1.7 hole 0.9: 2(2.54,0)
  silkscreen extent -2.54,-3.51 5.01,2.37, body extent -2.5,-3.3 5.04,2.4, height 7.05
XH2.54-4P [mm] "接插件，4P"
  rect 1.7x1.7 hole 0.9: 1(0,0)
  round 1.7 hole 0.9: 2(2.54,0) 3(5.08,0) 4(7.62,0)
  silkscreen extent -2.49,-3.45 9.88,2.49, body extent -2.5,-3.3 10.12,2.4, height 7.03
XH2.54-6P [mm] "接插件，6P"
  rect 1.7x1.7 hole 0.9: 1(0,0)
  round 1.7 hole 0.9: 2(2.54,0) 3(5.08,0) 4(7.62,0) 5(10.16,0) 6(12.7,0)
  silkscreen extent -2.39,-3.43 14.91,2.39, body extent -2.5,-3.3 15.2,2.4, height 7.03
XTAL-3215/F135 [mm]
  rect 1.2x1.5 smd: 1(-1.65,0) 2(1.65,0)
  silkscreen extent -2.41,-0.89 2.41,0.89, body extent -1.6,-0.75 1.6,0.75, height 0.81
XTAL-5032-4P [mil]
  rect 59.06x47.24 smd: 1(-83,-50) 2(83,-50) 3(83,50) 4(-83,50)
  silkscreen extent -132,-116 124,83, body extent -98,-63 98,63, height 39

## Part data
C1 C7 C9 C18 C19 C20 C24 C26 C31 C40 C43 C45 C53: library part "Cap 0603 100nF (104) 10% 50V", "贴片电容", Package=0603, SuppliersPartNumber=C14663, ComponentLink1Description=供应商, ComponentLink1URL=http://www.szlcsc.com/product/details_15331.html, Supplier=LC
C2 C5 C16 C17: library part "Cap 0402 22pF (220) 5% 50V", "贴片电容", Package=0402, SuppliersPartNumber=C1555, ComponentLink1Description=供应商, ComponentLink1URL=http://www.szlcsc.com/product/details_1907.html, Supplier=LC
C3 C4: library part "Cap 0603 2.2uF (225) 10% 16V", "贴片电容", Package=0603, SuppliersPartNumber=C23630, ComponentLink1Description=供应商, ComponentLink1URL=http://www.szlcsc.com/product/details_24366.html, Supplier=LC
C6 C10 C11 C12 C13 C14 C15 C50: library part "Cap 0402 100nF (104) 10% 16V", "贴片电容", Package=0402, SuppliersPartNumber=C1525, ComponentLink1URL=http://www.szlcsc.com/product/details_1877.html, Supplier=LC
  C6 C10 C11 C12 C13 C14 C15: ComponentLink1Description=供应商
  C50: ComponentLink1Description=供应商链接
C8 C22 C51: library part "Cap 0805 10uF (106) 10% 25V", "贴片电容", Package=0805, SuppliersPartNumber=C15850, ComponentLink1Description=供应商, ComponentLink1URL=http://www.szlcsc.com/product/details_16532.html, Supplier=LC
C21: library part "Cap+ CT6.3*5.4 220uF/16V", "电解电容"
C23 C25 C34: library part "Cap+ CT8*10.2 470uF/16V", "电解电容"
C27: library part "Cap 0603 10pF (100) 5% 50V", "贴片电容", Package=0603, SuppliersPartNumber=C1634, ComponentLink1Description=供应商, ComponentLink1URL=http://www.szlcsc.com/product/details_1986.html, Supplier=LC
C28: library part "Cap 0603 33pF (330) 5% 50V", "贴片电容", Package=0603, SuppliersPartNumber=C1663, ComponentLink1Description=供应商, ComponentLink1URL=http://www.szlcsc.com/product/details_2015.html, Supplier=LC
C29 C30 C32 C36 C38 C41: library part "Cap 0603 1uF (105) 10% 50V", "贴片电容", Package=0603, SuppliersPartNumber=C15849, ComponentLink1Description=供应商, ComponentLink1URL=http://www.szlcsc.com/product/details_16531.html, Supplier=LC
C33: library part "Cap 1206 10uF (106) 10% 50V", "贴片电容", Package=1206, SuppliersPartNumber=C13585, ComponentLink1Description=供应商, ComponentLink1URL=http://www.szlcsc.com/product/details_14236.html, Supplier=LC
C35: library part "Cap 0805 22uF (226) 20% 25V", "贴片电容", Package=0805, SuppliersPartNumber=C45783, ComponentLink1Description=供应商, ComponentLink1URL=http://www.szlcsc.com/product/details_46786.html, Supplier=LC
C37: library part "Cap 0603 220pF (221) 10% 50V", "贴片电容", Package=0603, SuppliersPartNumber=C1603, ComponentLink1Description=供应商, ComponentLink1URL=http://www.szlcsc.com/product/details_1955.html, Supplier=LC
C39 C42: library part "Cap 0603 1nF (102) 10% 50V", "贴片电容", Package=0603, SuppliersPartNumber=C1588, ComponentLink1Description=供应商, ComponentLink1URL=http://www.szlcsc.com/product/details_1940.html, Supplier=LC
C44: library part "3216 10uF (106) 10% 16V", "钽电容", Package=3216, SuppliersPartNumber=C7171, ComponentLink1Description=供应商, ComponentLink1URL=http://www.szlcsc.com/product/details_7643.html, Supplier=LC
C46 C47 C48 C49: library part "Cap 0402 33pF (330) 5% 50V", "贴片电容", Package=0402, SuppliersPartNumber=C1562, ComponentLink1Description=供应商, ComponentLink1URL=http://www.szlcsc.com/product/details_1914.html, Supplier=LC
C52: library part "Cap 0805 100nF(104) 10% 50V", "贴片电容", Package=0805, SuppliersPartNumber=C49678, ComponentLink1Description=供应商, ComponentLink1URL=http://www.szlcsc.com/product/details_50686.html, Supplier=LC
CON: library part PWR-DC, "低压电源接口", BOM名称=DCµçÔ, 学习资源=www.ooocke.
D1 D2 D3 D4: library part "DIO SOD-323 1N4148WS T4", "二极管", Package=SOD-323, SuppliersPartNumber=C2128, ComponentLink1Description=供应商, ComponentLink1URL=http://www.szlcsc.com/product/details_2485.html, Supplier=LC
D5 D7 D10: library part "SMA(DO-214AC) B350A", "Schottky Diodes", Package=SMA(DO-214AC), ComponentLink1Description=供应商, ComponentLink1URL=http://www.szlcsc.com/product/details_2841.html
D6 D9: library part "SOD-323 SD24C", "TVS; ESD 抑制器/TVS 二极管", Package=SMB/DO-214AA, SuppliersPartNumber=C78395, ComponentLink1Description=供应商, ComponentLink1URL=http://www.szlcsc.com/product/details_79530.html, Supplier=LC
D11: library part "SMA(DO-214AC) SS34", "SMA(DO-214AC) SS34, D Schottky"
D13: library part "SOD-323 LESD3Z5.0T1G", "TVS/ESD, SOD-323, 5V", Package=SMB/DO-214AA, SuppliersPartNumber=C78395, ComponentLink1Description=供应商, ComponentLink1URL=http://www.szlcsc.com/product/details_79530.html, Supplier=LC
D14 D15: library part "SOD-923 ESD9L5.0ST5G", "Transient Voltage Suppressor, ESD Protection Diode with Ultra-Low Capacitance, 2-Pin SOD-923, Pb-Free, Tape and Reel, CMP-1063-00114-1", Manufacturer="On Semiconductor", C Max (pF)=0.9, ComponentLink1Description="Manufacturer URL", ComponentLink1URL=http://www.onsemi.com/, ComponentLink2Description=Datasheet, ComponentLink2URL=http://www.onsemi.cn/pub_link/Collateral/ESD9L-D.PDF, ComponentLink3Description="Package Specification", ComponentLink3URL=http://www.onsemi.com/pub_link/Collateral/514AB.PDF, DatasheetVersion="Rev. 5", Direction=Unidirectional, IR Max (uA)=1, Mounting Technology="Surface Mount", Number of Lines=1, PackageDescription="2-Pin SOD, Body 0.8 x 0.6 mm", PackageReference=SOD-923-2-514AB-01, PackageVersion="Rev. C, 03/2011", Packing="Tape and Reel", PartNumber=ESD9L5.0ST5G, RoHS=Pb-Free, V(BR) Min (V)=5.4, VRWM Max (V)=5